# Altium PCB STM32F207VC.PcbDoc (part 7 of 16)
Units mm, origin at the board's own origin, x right, y up, seen from the top; angles counter-clockwise.
Board outline 99.19 x 99.95 mm, 2 copper layers (Top Layer, Bottom Layer); 127 components, 125 nets, 570 pads, 172 vias.
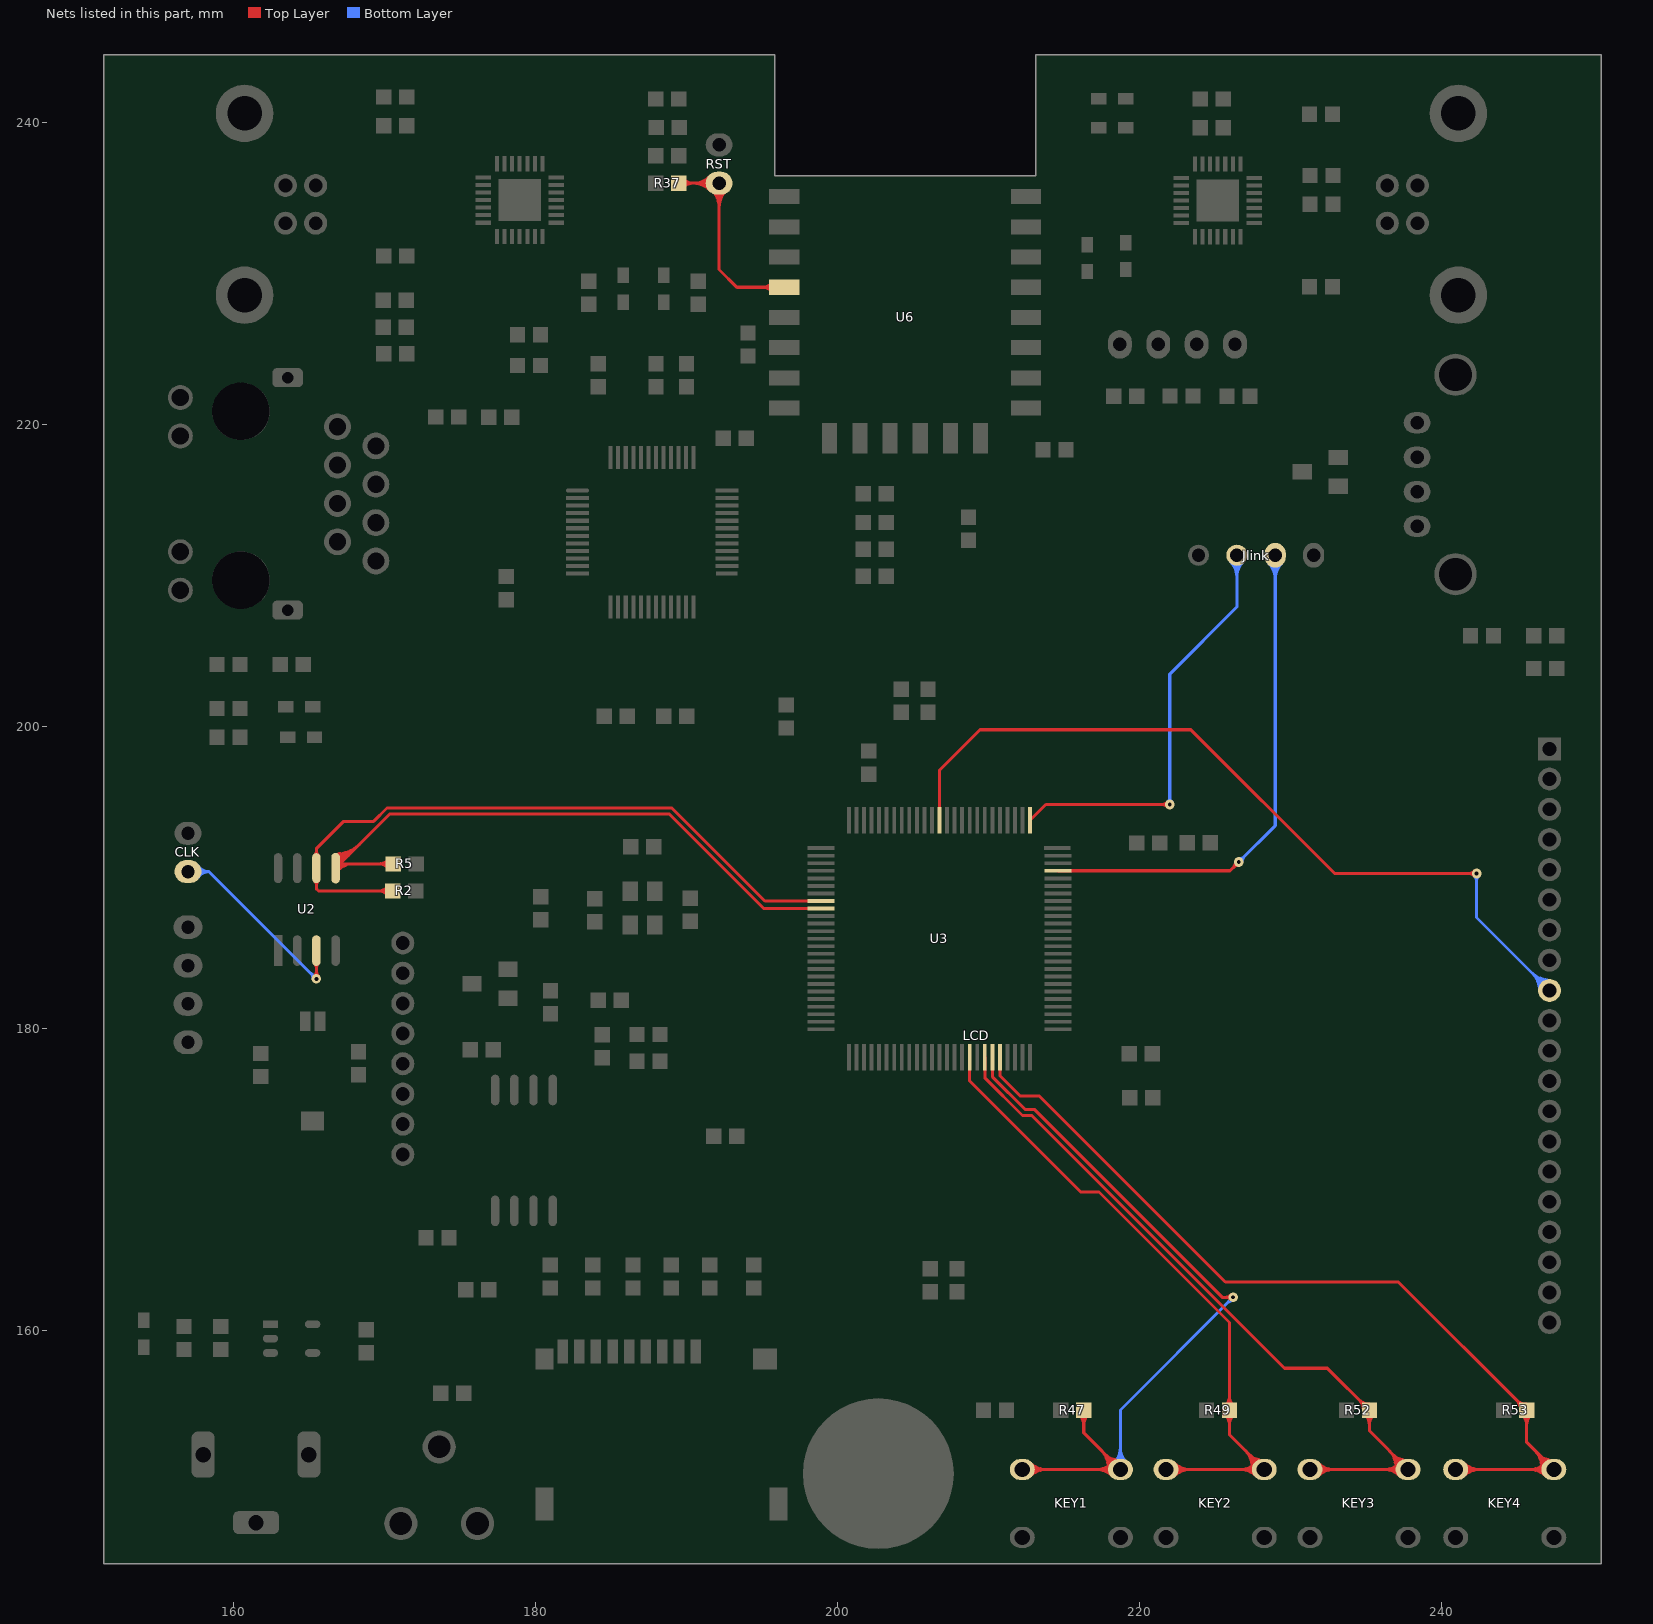
[diagram p7: the nets of this part, all layers, seen from the top]

## Via types
v1: diameter 0.635, hole 0.254, Top Layer to Bottom Layer, tented both sides, 152 vias
v2: diameter 0.635, hole 0.406, Top Layer to Bottom Layer, 18 vias
v3: diameter 1, hole 1, Top Layer to Bottom Layer, 2 vias

## Nets (pads, with @x,y where several pads share a name; then routed paths per layer and width w, separated by ;. In a path a pad name is that pad's centre, name@x,y a point inside that pad or via, vN(x,y) a via of type N, cw(c..) or ccw(c..) an arc to the next point about the centre after c; other vN are vias at no path point) (continued)
GPIO16: R37.1 RST.1 U6.4 | length 59.3
  Top Layer w0.203: R37.1@189.467,235.972 192.145,235.972 192.145,230.257 193.325,229.077 U6.4@196.468,229.077 ; R37.1@189.754,235.685 cw(c190.448,234.991) 190.448,235.972 ; R37.1@189.754,235.685 cw(c190.448,234.991) 190.448,235.972 ; R37.1@189.754,235.685 cw(c190.448,234.991) 190.448,235.972 ; R37.1@189.754,235.685 cw(c190.448,234.991) 190.448,235.972 ; R37.1@189.754,236.259 ccw(c190.448,236.953) 190.448,235.972 ; R37.1@189.754,236.259 ccw(c190.448,236.953) 190.448,235.972 ; R37.1@189.754,236.259 ccw(c190.448,236.953) 190.448,235.972 ; R37.1@189.754,236.259 ccw(c190.448,236.953) 190.448,235.972 ; 190.415,235.972 cw(c190.415,234.357) RST.1@191.557,235.499 ; 190.415,235.972 cw(c190.415,234.357) RST.1@191.557,235.499 ; 190.415,235.972 cw(c190.415,234.357) RST.1@191.557,235.499 ; 190.415,235.972 cw(c190.415,234.357) RST.1@191.557,235.499 ; 190.444,235.972 ccw(c190.444,237.546) RST.1@191.557,236.433 ; 190.444,235.972 ccw(c190.444,237.546) RST.1@191.557,236.433 ; 190.444,235.972 ccw(c190.444,237.546) RST.1@191.557,236.433 ; 190.444,235.972 ccw(c190.444,237.546) RST.1@191.557,236.433 ; 190.906,235.972 cw(c190.906,234.848) RST.1@191.701,235.643 ; 190.906,235.972 cw(c190.906,234.848) RST.1@191.701,235.643 ; 190.906,235.972 cw(c190.906,234.848) RST.1@191.701,235.643 ; 190.906,235.972 cw(c190.906,234.848) RST.1@191.701,235.643 ; 190.935,235.972 ccw(c190.935,237.055) RST.1@191.701,236.289 ; 190.935,235.972 ccw(c190.935,237.055) RST.1@191.701,236.289 ; 190.935,235.972 ccw(c190.935,237.055) RST.1@191.701,236.289 ; 190.935,235.972 ccw(c190.935,237.055) RST.1@191.701,236.289 ; RST.1@191.684,235.499 cw(c190.571,234.386) 192.145,234.386 ; RST.1@191.684,235.499 cw(c190.571,234.386) 192.145,234.386 ; RST.1@191.684,235.499 cw(c190.571,234.386) 192.145,234.386 ; RST.1@191.684,235.499 cw(c190.571,234.386) 192.145,234.386 ; RST.1@191.828,235.643 cw(c191.062,234.877) 192.145,234.877 ; RST.1@191.828,235.643 cw(c191.062,234.877) 192.145,234.877 ; RST.1@191.828,235.643 cw(c191.062,234.877) 192.145,234.877 ; RST.1@191.828,235.643 cw(c191.062,234.877) 192.145,234.877 ; 192.145,234.357 cw(c193.76,234.357) RST.1@192.618,235.499 ; 192.145,234.357 cw(c193.76,234.357) RST.1@192.618,235.499 ; 192.145,234.357 cw(c193.76,234.357) RST.1@192.618,235.499 ; 192.145,234.357 cw(c193.76,234.357) RST.1@192.618,235.499 ; 192.145,234.848 cw(c193.269,234.848) RST.1@192.474,235.643 ; 192.145,234.848 cw(c193.269,234.848) RST.1@192.474,235.643 ; 192.145,234.848 cw(c193.269,234.848) RST.1@192.474,235.643 ; 192.145,234.848 cw(c193.269,234.848) RST.1@192.474,235.643 ; 195.007,229.077 cw(c195.007,228.115) U6.4@195.687,228.796 ; 195.007,229.077 ccw(c195.007,230.039) U6.4@195.687,229.359 ; 195.007,229.077 cw(c195.007,228.115) U6.4@195.687,228.796 ; 195.007,229.077 ccw(c195.007,230.039) U6.4@195.687,229.359 ; 195.007,229.077 ccw(c195.007,230.039) U6.4@195.687,229.359 ; 195.007,229.077 cw(c195.007,228.115) U6.4@195.687,228.796 ; 195.007,229.077 ccw(c195.007,230.039) U6.4@195.687,229.359 ; 195.007,229.077 cw(c195.007,228.115) U6.4@195.687,228.796
IIC_SCL: R2.1 U2.6 U3.8 | length 56.4
  Top Layer w0.203: R2.1@170.526,189.091 165.62,189.091 165.477,189.234 U2.6@165.477,190.605 165.477,191.893 167.284,193.7 169.268,193.7 170.157,194.589 189.017,194.589 195.179,188.428 U3.8@198.895,188.428 ; U2.6@165.351,189.768 cw(c165.048,189.464) 165.477,189.464 ; U2.6@165.351,189.768 cw(c165.048,189.464) 165.477,189.464 ; U2.6@165.351,189.768 cw(c165.048,189.464) 165.477,189.464 ; U2.6@165.351,189.768 cw(c165.048,189.464) 165.477,189.464 ; U2.6@165.351,191.441 ccw(c165.048,191.745) 165.477,191.745 ; U2.6@165.351,191.441 ccw(c165.048,191.745) 165.477,191.745 ; U2.6@165.351,191.441 ccw(c165.048,191.745) 165.477,191.745 ; U2.6@165.351,191.441 ccw(c165.048,191.745) 165.477,191.745 ; 165.477,189.464 cw(c165.906,189.464) U2.6@165.603,189.768 ; 165.477,189.464 cw(c165.906,189.464) U2.6@165.603,189.768 ; 165.477,189.464 cw(c165.906,189.464) U2.6@165.603,189.768 ; 165.477,189.464 cw(c165.906,189.464) U2.6@165.603,189.768 ; 165.477,191.745 ccw(c165.906,191.745) U2.6@165.603,191.441 ; 165.477,191.745 ccw(c165.906,191.745) U2.6@165.603,191.441 ; 165.477,191.745 ccw(c165.906,191.745) U2.6@165.603,191.441 ; 165.477,191.745 ccw(c165.906,191.745) U2.6@165.603,191.441 ; 169.545,189.091 cw(c169.545,188.11) R2.1@170.239,188.804 ; 169.545,189.091 ccw(c169.545,190.072) R2.1@170.239,189.378 ; 169.545,189.091 cw(c169.545,188.11) R2.1@170.239,188.804 ; 169.545,189.091 ccw(c169.545,190.072) R2.1@170.239,189.378 ; 169.545,189.091 ccw(c169.545,190.072) R2.1@170.239,189.378 ; 169.545,189.091 cw(c169.545,188.11) R2.1@170.239,188.804 ; 169.545,189.091 ccw(c169.545,190.072) R2.1@170.239,189.378 ; 169.545,189.091 cw(c169.545,188.11) R2.1@170.239,188.804
IIC_SDA: R5.2 U2.5 U3.9 | length 95.7
  Top Layer w0.203: U2.5@166.747,190.605 U2.5@167.023,190.881 ; R5.2@170.561,190.881 U2.5@167.023,190.881 ; U3.9@198.895,187.928 195.104,187.928 188.849,194.183 170.325,194.183 U2.5@167.023,190.881 ; U2.5@166.726,191.355 cw(c167.171,191.062) 167.064,191.584 ; U2.5@166.726,191.355 cw(c167.171,191.062) 167.064,191.584 ; U2.5@166.726,191.355 cw(c167.171,191.062) 167.064,191.584 ; U2.5@166.726,191.355 cw(c167.171,191.062) 167.064,191.584 ; U2.5@166.726,191.355 cw(c167.171,191.062) 167.064,191.584 ; U2.5@166.726,191.355 cw(c167.171,191.062) 167.064,191.584 ; U2.5@166.729,190.623 cw(c167.353,189.998) 167.353,190.881 ; U2.5@166.729,190.623 cw(c167.353,189.998) 167.353,190.881 ; U2.5@166.729,190.623 cw(c167.353,189.998) 167.353,190.881 ; U2.5@166.729,190.623 cw(c167.353,189.998) 167.353,190.881 ; U2.5@166.736,190.582 ccw(c166.893,190.903) 167.071,190.593 ; U2.5@166.736,190.582 ccw(c166.893,190.903) 167.071,190.593 ; U2.5@166.736,190.582 ccw(c166.893,190.903) 167.071,190.593 ; U2.5@166.736,190.582 ccw(c166.893,190.903) 167.071,190.593 ; U2.5@166.736,190.582 ccw(c166.893,190.903) 167.071,190.593 ; U2.5@166.736,190.582 ccw(c166.893,190.903) 167.071,190.593 ; U2.5@166.737,191.318 ccw(c166.847,191.579) 167.035,191.367 ; U2.5@166.737,191.318 ccw(c166.847,191.579) 167.035,191.367 ; U2.5@166.737,191.318 ccw(c166.847,191.579) 167.035,191.367 ; U2.5@166.737,191.318 ccw(c166.847,191.579) 167.035,191.367 ; U2.5@166.747,190.909 ccw(c166.747,191.645) 167.267,191.125 ; U2.5@166.747,190.909 ccw(c166.747,191.645) 167.267,191.125 ; U2.5@166.747,190.909 ccw(c166.747,191.645) 167.267,191.125 ; U2.5@166.747,190.909 ccw(c166.747,191.645) 167.267,191.125 ; U2.5@166.747,191.113 ccw(c166.747,192.339) 167.614,191.472 ; U2.5@166.747,191.113 ccw(c166.747,192.339) 167.614,191.472 ; U2.5@166.747,191.113 ccw(c166.747,192.339) 167.614,191.472 ; U2.5@166.747,191.113 ccw(c166.747,192.339) 167.614,191.472 ; U2.5@166.747,191.316 ccw(c166.747,193.033) 167.961,191.819 ; U2.5@166.747,191.316 ccw(c166.747,193.033) 167.961,191.819 ; U2.5@166.747,191.316 ccw(c166.747,193.033) 167.961,191.819 ; U2.5@166.747,191.316 ccw(c166.747,193.033) 167.961,191.819 ; U2.5@166.747,191.519 ccw(c166.747,193.727) 168.308,192.166 ; U2.5@166.747,191.519 ccw(c166.747,193.727) 168.308,192.166 ; U2.5@166.747,191.519 ccw(c166.747,193.727) 168.308,192.166 ; U2.5@166.747,191.519 ccw(c166.747,193.727) 168.308,192.166 ; U2.5@166.793,190.776 ccw(c166.882,191.11) 167.055,190.811 ; U2.5@166.793,190.776 ccw(c166.882,191.11) 167.055,190.811 ; U2.5@166.793,190.776 ccw(c166.882,191.11) 167.055,190.811 ; U2.5@166.793,190.776 ccw(c166.882,191.11) 167.055,190.811 ; U2.5@166.793,190.776 ccw(c166.882,191.11) 167.055,190.811 ; U2.5@166.793,190.776 ccw(c166.882,191.11) 167.055,190.811 ; U2.5@166.816,191.505 ccw(c166.985,191.91) 167.276,191.582 ; U2.5@166.816,191.505 ccw(c166.985,191.91) 167.276,191.582 ; U2.5@166.816,191.505 ccw(c166.985,191.91) 167.276,191.582 ; U2.5@166.816,191.505 ccw(c166.985,191.91) 167.276,191.582 ; U2.5@166.825,190.764 ccw(c167.095,191.318) 167.402,190.785 ; U2.5@166.825,190.764 ccw(c167.095,191.318) 167.402,190.785 ; U2.5@166.825,190.764 ccw(c167.095,191.318) 167.402,190.785 ; U2.5@166.825,190.764 ccw(c167.095,191.318) 167.402,190.785 ; U2.5@166.825,190.764 ccw(c167.095,191.318) 167.402,190.785 ; U2.5@166.825,190.764 ccw(c167.095,191.318) 167.402,190.785 ; U2.5@166.836,191.495 ccw(c167.092,191.939) 167.225,191.444 ; U2.5@166.836,191.495 ccw(c167.092,191.939) 167.225,191.444 ; U2.5@166.836,191.495 ccw(c167.092,191.939) 167.225,191.444 ; U2.5@166.836,191.495 ccw(c167.092,191.939) 167.225,191.444 ; U2.5@166.836,191.495 ccw(c167.092,191.939) 167.225,191.444 ; U2.5@166.836,191.495 ccw(c167.092,191.939) 167.225,191.444 ; U2.5@166.873,190.479 cw(c167.844,189.508) 167.844,190.881 ; U2.5@166.873,190.479 cw(c167.844,189.508) 167.844,190.881 ; U2.5@166.873,190.479 cw(c167.844,189.508) 167.844,190.881 ; U2.5@166.873,190.479 cw(c167.844,189.508) 167.844,190.881 ; U2.5@166.895,191.243 cw(c167.75,190.68) 167.544,191.683 ; U2.5@166.895,191.243 cw(c167.75,190.68) 167.544,191.683 ; U2.5@166.895,191.243 cw(c167.75,190.68) 167.544,191.683 ; U2.5@166.895,191.243 cw(c167.75,190.68) 167.544,191.683 ; U2.5@166.895,191.243 cw(c167.75,190.68) 167.544,191.683 ; U2.5@166.895,191.243 cw(c167.75,190.68) 167.544,191.683 ; U2.5@166.901,191.252 cw(c167.2,191.08) 167.111,191.413 ; U2.5@166.901,191.252 cw(c167.2,191.08) 167.111,191.413 ; U2.5@166.901,191.252 cw(c167.2,191.08) 167.111,191.413 ; U2.5@166.901,191.252 cw(c167.2,191.08) 167.111,191.413 ; U2.5@166.901,191.252 cw(c167.2,191.08) 167.111,191.413 ; U2.5@166.901,191.252 cw(c167.2,191.08) 167.111,191.413 ; U2.5@166.92,190.565 cw(c167.365,190.463) 167.137,190.858 ; U2.5@166.92,190.565 cw(c167.365,190.463) 167.137,190.858 ; U2.5@166.92,190.565 cw(c167.365,190.463) 167.137,190.858 ; U2.5@166.92,190.565 cw(c167.365,190.463) 167.137,190.858 ; U2.5@166.92,190.565 cw(c167.365,190.463) 167.137,190.858 ; U2.5@166.92,190.565 cw(c167.365,190.463) 167.137,190.858 ; 169.58,190.881 cw(c169.58,189.9) R5.2@170.274,190.594 ; 169.58,190.881 ccw(c169.58,191.862) R5.2@170.274,191.168 ; 169.58,190.881 cw(c169.58,189.9) R5.2@170.274,190.594 ; 169.58,190.881 ccw(c169.58,191.862) R5.2@170.274,191.168 ; 169.58,190.881 ccw(c169.58,191.862) R5.2@170.274,191.168 ; 169.58,190.881 cw(c169.58,189.9) R5.2@170.274,190.594 ; 169.58,190.881 ccw(c169.58,191.862) R5.2@170.274,191.168 ; 169.58,190.881 cw(c169.58,189.9) R5.2@170.274,190.594
INT: CLK.1 U2.3 | length 34.1
  Top Layer w0.203: v1(165.477,183.265) U2.3@165.477,185.144 ; v1@165.324,183.418 ccw(c164.956,183.786) 165.477,183.786 ; v1@165.324,183.418 ccw(c164.956,183.786) 165.477,183.786 ; v1@165.324,183.418 ccw(c164.956,183.786) 165.477,183.786 ; v1@165.324,183.418 ccw(c164.956,183.786) 165.477,183.786 ; U2.3@165.351,184.281 cw(c165.048,183.978) 165.477,183.978 ; U2.3@165.351,184.281 cw(c165.048,183.978) 165.477,183.978 ; U2.3@165.351,184.281 cw(c165.048,183.978) 165.477,183.978 ; U2.3@165.351,184.281 cw(c165.048,183.978) 165.477,183.978 ; 165.477,183.786 ccw(c165.998,183.786) v1@165.63,183.418 ; 165.477,183.786 ccw(c165.998,183.786) v1@165.63,183.418 ; 165.477,183.786 ccw(c165.998,183.786) v1@165.63,183.418 ; 165.477,183.786 ccw(c165.998,183.786) v1@165.63,183.418 ; 165.477,183.978 cw(c165.906,183.978) U2.3@165.603,184.281 ; 165.477,183.978 cw(c165.906,183.978) U2.3@165.603,184.281 ; 165.477,183.978 cw(c165.906,183.978) U2.3@165.603,184.281 ; 165.477,183.978 cw(c165.906,183.978) U2.3@165.603,184.281
  Bottom Layer w0.203: CLK.1@156.972,190.373 158.369,190.373 ; v1(165.477,183.265) 158.369,190.373 ; CLK.1@157.473,190.11 cw(c157.978,189.756) 157.978,190.373 ; CLK.1@157.473,190.11 cw(c157.978,189.756) 157.978,190.373 ; CLK.1@157.473,190.11 cw(c157.978,189.756) 157.978,190.373 ; CLK.1@157.473,190.11 cw(c157.978,189.756) 157.978,190.373 ; CLK.1@157.473,190.636 ccw(c157.978,190.99) 157.978,190.373 ; CLK.1@157.473,190.636 ccw(c157.978,190.99) 157.978,190.373 ; CLK.1@157.473,190.636 ccw(c157.978,190.99) 157.978,190.373 ; CLK.1@157.473,190.636 ccw(c157.978,190.99) 157.978,190.373 ; CLK.1@157.64,189.994 cw(c158.369,189.482) 158.369,190.373 ; CLK.1@157.64,189.994 cw(c158.369,189.482) 158.369,190.373 ; CLK.1@157.64,189.994 cw(c158.369,189.482) 158.369,190.373 ; CLK.1@157.64,189.994 cw(c158.369,189.482) 158.369,190.373 ; CLK.1@157.64,190.752 ccw(c158.369,191.264) 158.369,190.373 ; CLK.1@157.64,190.752 ccw(c158.369,191.264) 158.369,190.373 ; CLK.1@157.64,190.752 ccw(c158.369,191.264) 158.369,190.373 ; CLK.1@157.64,190.752 ccw(c158.369,191.264) 158.369,190.373 ; 165.108,183.634 cw(c164.74,183.265) v1@165.261,183.265 ; 165.108,183.634 ccw(c165.477,184.002) v1@165.477,183.481 ; 165.108,183.634 cw(c164.74,183.265) v1@165.261,183.265 ; 165.108,183.634 ccw(c165.477,184.002) v1@165.477,183.481 ; 165.108,183.634 ccw(c165.477,184.002) v1@165.477,183.481 ; 165.108,183.634 cw(c164.74,183.265) v1@165.261,183.265 ; 165.108,183.634 ccw(c165.477,184.002) v1@165.477,183.481 ; 165.108,183.634 cw(c164.74,183.265) v1@165.261,183.265
JLINK_TCK: Jlink.3 U3.76 | length 49.6
  Top Layer w0.203: U3.76@212.745,193.778 213.785,194.818 v1(221.996,194.818) ; 221.475,194.818 cw(c221.475,194.297) v1@221.843,194.665 ; 221.475,194.818 ccw(c221.475,195.339) v1@221.843,194.971 ; 221.475,194.818 cw(c221.475,194.297) v1@221.843,194.665 ; 221.475,194.818 ccw(c221.475,195.339) v1@221.843,194.971 ; 221.475,194.818 ccw(c221.475,195.339) v1@221.843,194.971 ; 221.475,194.818 cw(c221.475,194.297) v1@221.843,194.665 ; 221.475,194.818 ccw(c221.475,195.339) v1@221.843,194.971 ; 221.475,194.818 cw(c221.475,194.297) v1@221.843,194.665
  Bottom Layer w0.203: v1(221.996,194.818) 221.996,203.454 226.441,207.899 Jlink.3@226.441,211.328 ; v1@221.843,194.971 ccw(c221.475,195.339) 221.996,195.339 ; v1@221.843,194.971 ccw(c221.475,195.339) 221.996,195.339 ; v1@221.843,194.971 ccw(c221.475,195.339) 221.996,195.339 ; v1@221.843,194.971 ccw(c221.475,195.339) 221.996,195.339 ; 221.996,195.339 ccw(c222.517,195.339) v1@222.149,194.971 ; 221.996,195.339 ccw(c222.517,195.339) v1@222.149,194.971 ; 221.996,195.339 ccw(c222.517,195.339) v1@222.149,194.971 ; 221.996,195.339 ccw(c222.517,195.339) v1@222.149,194.971 ; Jlink.3@226.019,210.906 cw(c225,209.887) 226.441,209.887 ; Jlink.3@226.019,210.906 cw(c225,209.887) 226.441,209.887 ; Jlink.3@226.019,210.906 cw(c225,209.887) 226.441,209.887 ; Jlink.3@226.019,210.906 cw(c225,209.887) 226.441,209.887 ; Jlink.3@226.163,211.05 cw(c225.491,210.378) 226.441,210.378 ; Jlink.3@226.163,211.05 cw(c225.491,210.378) 226.441,210.378 ; Jlink.3@226.163,211.05 cw(c225.491,210.378) 226.441,210.378 ; Jlink.3@226.163,211.05 cw(c225.491,210.378) 226.441,210.378 ; 226.441,209.887 cw(c227.882,209.887) Jlink.3@226.863,210.906 ; 226.441,209.887 cw(c227.882,209.887) Jlink.3@226.863,210.906 ; 226.441,209.887 cw(c227.882,209.887) Jlink.3@226.863,210.906 ; 226.441,209.887 cw(c227.882,209.887) Jlink.3@226.863,210.906 ; 226.441,210.378 cw(c227.391,210.378) Jlink.3@226.719,211.05 ; 226.441,210.378 cw(c227.391,210.378) Jlink.3@226.719,211.05 ; 226.441,210.378 cw(c227.391,210.378) Jlink.3@226.719,211.05 ; 226.441,210.378 cw(c227.391,210.378) Jlink.3@226.719,211.05
JLINK_TMS: Jlink.2 U3.72 | length 60.3
  Top Layer w0.203: U3.72@214.595,190.428 225.988,190.428 v1(226.568,191.008) ; 226.199,190.639 cw(c226.568,190.271) v1@226.568,190.792 ; 226.199,190.639 ccw(c225.831,191.008) v1@226.352,191.008 ; 226.199,190.639 cw(c226.568,190.271) v1@226.568,190.792 ; 226.199,190.639 ccw(c225.831,191.008) v1@226.352,191.008 ; 226.199,190.639 ccw(c225.831,191.008) v1@226.352,191.008 ; 226.199,190.639 cw(c226.568,190.271) v1@226.568,190.792 ; 226.199,190.639 ccw(c225.831,191.008) v1@226.352,191.008 ; 226.199,190.639 cw(c226.568,190.271) v1@226.568,190.792 ; 226.274,190.716 cw(c226.648,190.616) v1@226.571,190.996 ; 226.274,190.716 cw(c226.648,190.616) v1@226.571,190.996 ; 226.274,190.716 cw(c226.648,190.616) v1@226.571,190.996 ; 226.274,190.716 cw(c226.648,190.616) v1@226.571,190.996 ; 226.274,190.716 cw(c226.648,190.616) v1@226.571,190.996 ; 226.274,190.716 cw(c226.648,190.616) v1@226.571,190.996 ; 226.276,190.714 ccw(c226.176,191.088) v1@226.556,191.011 ; 226.276,190.714 ccw(c226.176,191.088) v1@226.556,191.011 ; 226.276,190.714 ccw(c226.176,191.088) v1@226.556,191.011 ; 226.276,190.714 ccw(c226.176,191.088) v1@226.556,191.011 ; 226.276,190.714 ccw(c226.176,191.088) v1@226.556,191.011 ; 226.276,190.714 ccw(c226.176,191.088) v1@226.556,191.011
  Bottom Layer w0.203: v1(226.568,191.008) 228.981,193.421 Jlink.2@228.981,211.328 ; v1@226.568,191.224 ccw(c226.568,191.745) 226.937,191.377 ; v1@226.568,191.224 ccw(c226.568,191.745) 226.937,191.377 ; v1@226.568,191.224 ccw(c226.568,191.745) 226.937,191.377 ; v1@226.568,191.224 ccw(c226.568,191.745) 226.937,191.377 ; v1@226.784,191.008 cw(c227.305,191.008) 226.937,191.377 ; v1@226.784,191.008 cw(c227.305,191.008) 226.937,191.377 ; v1@226.784,191.008 cw(c227.305,191.008) 226.937,191.377 ; v1@226.784,191.008 cw(c227.305,191.008) 226.937,191.377 ; Jlink.2@228.559,210.779 cw(c227.54,209.76) 228.981,209.76 ; Jlink.2@228.559,210.779 cw(c227.54,209.76) 228.981,209.76 ; Jlink.2@228.559,210.779 cw(c227.54,209.76) 228.981,209.76 ; Jlink.2@228.559,210.779 cw(c227.54,209.76) 228.981,209.76 ; Jlink.2@228.703,210.923 cw(c228.031,210.251) 228.981,210.251 ; Jlink.2@228.703,210.923 cw(c228.031,210.251) 228.981,210.251 ; Jlink.2@228.703,210.923 cw(c228.031,210.251) 228.981,210.251 ; Jlink.2@228.703,210.923 cw(c228.031,210.251) 228.981,210.251 ; 228.981,209.76 cw(c230.422,209.76) Jlink.2@229.403,210.779 ; 228.981,209.76 cw(c230.422,209.76) Jlink.2@229.403,210.779 ; 228.981,209.76 cw(c230.422,209.76) Jlink.2@229.403,210.779 ; 228.981,209.76 cw(c230.422,209.76) Jlink.2@229.403,210.779 ; 228.981,210.251 cw(c229.931,210.251) Jlink.2@229.259,210.923 ; 228.981,210.251 cw(c229.931,210.251) Jlink.2@229.259,210.923 ; 228.981,210.251 cw(c229.931,210.251) Jlink.2@229.259,210.923 ; 228.981,210.251 cw(c229.931,210.251) Jlink.2@229.259,210.923
KEY1: KEY1.1 KEY1.2 R47.1 U3.45 | length 150.6
  Top Layer w0.203: U3.45@210.245,178.078 210.245,176.791 212.408,174.628 213.024,174.628 225.473,162.179 v1(226.187,162.179) ; KEY1.2@212.229,150.774 KEY1.1@218.729,150.774 216.298,153.205 R47.1@216.298,154.692 ; KEY1.2@212.635,150.495 cw(c213.31,149.82) 213.31,150.774 ; KEY1.2@212.635,150.495 cw(c213.31,149.82) 213.31,150.774 ; KEY1.2@212.635,150.495 cw(c213.31,149.82) 213.31,150.774 ; KEY1.2@212.635,150.495 cw(c213.31,149.82) 213.31,150.774 ; KEY1.2@212.635,151.054 ccw(c213.31,151.728) 213.31,150.774 ; KEY1.2@212.635,151.054 ccw(c213.31,151.728) 213.31,150.774 ; KEY1.2@212.635,151.054 ccw(c213.31,151.728) 213.31,150.774 ; KEY1.2@212.635,151.054 ccw(c213.31,151.728) 213.31,150.774 ; KEY1.2@212.779,150.351 cw(c213.801,149.33) 213.801,150.774 ; KEY1.2@212.779,150.351 cw(c213.801,149.33) 213.801,150.774 ; KEY1.2@212.779,150.351 cw(c213.801,149.33) 213.801,150.774 ; KEY1.2@212.779,150.351 cw(c213.801,149.33) 213.801,150.774 ; KEY1.2@212.779,151.197 ccw(c213.801,152.219) 213.801,150.774 ; KEY1.2@212.779,151.197 ccw(c213.801,152.219) 213.801,150.774 ; KEY1.2@212.779,151.197 ccw(c213.801,152.219) 213.801,150.774 ; KEY1.2@212.779,151.197 ccw(c213.801,152.219) 213.801,150.774 ; R47.1@216.011,154.405 cw(c215.317,153.711) 216.298,153.711 ; R47.1@216.011,154.405 cw(c215.317,153.711) 216.298,153.711 ; R47.1@216.011,154.405 cw(c215.317,153.711) 216.298,153.711 ; R47.1@216.011,154.405 cw(c215.317,153.711) 216.298,153.711 ; 216.298,153.711 cw(c217.28,153.711) R47.1@216.586,154.405 ; 216.298,153.711 cw(c217.28,153.711) R47.1@216.586,154.405 ; 216.298,153.711 cw(c217.28,153.711) R47.1@216.586,154.405 ; 216.298,153.711 cw(c217.28,153.711) R47.1@216.586,154.405 ; 217.157,150.774 cw(c217.157,149.33) KEY1.1@218.179,150.351 ; 217.157,150.774 ccw(c217.157,152.219) KEY1.1@218.179,151.197 ; 217.157,150.774 cw(c217.157,149.33) KEY1.1@218.179,150.351 ; 217.157,150.774 ccw(c217.157,152.219) KEY1.1@218.179,151.197 ; 217.157,150.774 ccw(c217.157,152.219) KEY1.1@218.179,151.197 ; 217.157,150.774 cw(c217.157,149.33) KEY1.1@218.179,150.351 ; 217.157,150.774 ccw(c217.157,152.219) KEY1.1@218.179,151.197 ; 217.157,150.774 cw(c217.157,149.33) KEY1.1@218.179,150.351 ; 217.491,152.013 cw(c216.252,150.774) KEY1.1@218.004,150.774 ; 217.491,152.013 cw(c216.252,150.774) KEY1.1@218.004,150.774 ; 217.491,152.013 cw(c216.252,150.774) KEY1.1@218.004,150.774 ; 217.491,152.013 cw(c216.252,150.774) KEY1.1@218.004,150.774 ; 217.648,150.774 cw(c217.648,149.82) KEY1.1@218.323,150.495 ; 217.648,150.774 ccw(c217.648,151.728) KEY1.1@218.323,151.054 ; 217.648,150.774 cw(c217.648,149.82) KEY1.1@218.323,150.495 ; 217.648,150.774 ccw(c217.648,151.728) KEY1.1@218.323,151.054 ; 217.648,150.774 ccw(c217.648,151.728) KEY1.1@218.323,151.054 ; 217.648,150.774 cw(c217.648,149.82) KEY1.1@218.323,150.495 ; 217.648,150.774 ccw(c217.648,151.728) KEY1.1@218.323,151.054 ; 217.648,150.774 cw(c217.648,149.82) KEY1.1@218.323,150.495 ; 217.786,151.585 ccw(c218.912,151.886) KEY1.1@218.599,150.764 ; 217.786,151.585 ccw(c218.912,151.886) KEY1.1@218.599,150.764 ; 217.786,151.585 ccw(c218.912,151.886) KEY1.1@218.599,150.764 ; 217.786,151.585 ccw(c218.912,151.886) KEY1.1@218.599,150.764 ; 217.786,151.585 ccw(c218.912,151.886) KEY1.1@218.599,150.764 ; 217.786,151.585 ccw(c218.912,151.886) KEY1.1@218.599,150.764 ; 217.797,151.706 ccw(c218.602,152.511) KEY1.1@218.602,151.373 ; 217.797,151.706 ccw(c218.602,152.511) KEY1.1@218.602,151.373 ; 217.797,151.706 ccw(c218.602,152.511) KEY1.1@218.602,151.373 ; 217.797,151.706 ccw(c218.602,152.511) KEY1.1@218.602,151.373 ; 217.838,151.666 cw(c216.946,150.774) KEY1.1@218.207,150.774 ; 217.838,151.666 cw(c216.946,150.774) KEY1.1@218.207,150.774 ; 217.838,151.666 cw(c216.946,150.774) KEY1.1@218.207,150.774 ; 217.838,151.666 cw(c216.946,150.774) KEY1.1@218.207,150.774 ; 217.879,151.241 ccw(c218.801,151.488) KEY1.1@218.544,150.568 ; 217.879,151.241 ccw(c218.801,151.488) KEY1.1@218.544,150.568 ; 217.879,151.241 ccw(c218.801,151.488) KEY1.1@218.544,150.568 ; 217.879,151.241 ccw(c218.801,151.488) KEY1.1@218.544,150.568 ; 217.879,151.241 ccw(c218.801,151.488) KEY1.1@218.544,150.568 ; 217.879,151.241 ccw(c218.801,151.488) KEY1.1@218.544,150.568 ; 217.939,151.55 cw(c217.702,150.663) KEY1.1@218.613,150.776 ; 217.939,151.55 cw(c217.702,150.663) KEY1.1@218.613,150.776 ; 217.939,151.55 cw(c217.702,150.663) KEY1.1@218.613,150.776 ; 217.939,151.55 cw(c217.702,150.663) KEY1.1@218.613,150.776 ; 217.939,151.55 cw(c217.702,150.663) KEY1.1@218.613,150.776 ; 218.019,151.476 ccw(c218.689,151.656) KEY1.1@218.621,150.965 ; 218.019,151.476 ccw(c218.689,151.656) KEY1.1@218.621,150.965 ; 218.019,151.476 ccw(c218.689,151.656) KEY1.1@218.621,150.965 ; 218.019,151.476 ccw(c218.689,151.656) KEY1.1@218.621,150.965 ; 218.019,151.476 ccw(c218.689,151.656) KEY1.1@218.621,150.965 ; 218.019,151.476 ccw(c218.689,151.656) KEY1.1@218.621,150.965 ; 218.144,151.359 ccw(c218.602,151.817) KEY1.1@218.602,151.17 ; 218.144,151.359 ccw(c218.602,151.817) KEY1.1@218.602,151.17 ; 218.144,151.359 ccw(c218.602,151.817) KEY1.1@218.602,151.17 ; 218.144,151.359 ccw(c218.602,151.817) KEY1.1@218.602,151.17 ; 218.231,151.472 cw(c218.024,150.703) KEY1.1@218.815,150.801 ; 218.231,151.472 cw(c218.024,150.703) KEY1.1@218.815,150.801 ; 218.231,151.472 cw(c218.024,150.703) KEY1.1@218.815,150.801 ; 218.231,151.472 cw(c218.024,150.703) KEY1.1@218.815,150.801 ; 218.231,151.472 cw(c218.024,150.703) KEY1.1@218.815,150.801 ; 225.666,162.179 cw(c225.666,161.658) v1@226.034,162.026 ; 225.666,162.179 ccw(c225.666,162.7) v1@226.034,162.332 ; 225.666,162.179 cw(c225.666,161.658) v1@226.034,162.026 ; 225.666,162.179 ccw(c225.666,162.7) v1@226.034,162.332 ; 225.666,162.179 ccw(c225.666,162.7) v1@226.034,162.332 ; 225.666,162.179 cw(c225.666,161.658) v1@226.034,162.026 ; 225.666,162.179 ccw(c225.666,162.7) v1@226.034,162.332 ; 225.666,162.179 cw(c225.666,161.658) v1@226.034,162.026